# KiCad board !HDMI2USB.kicad_pcb
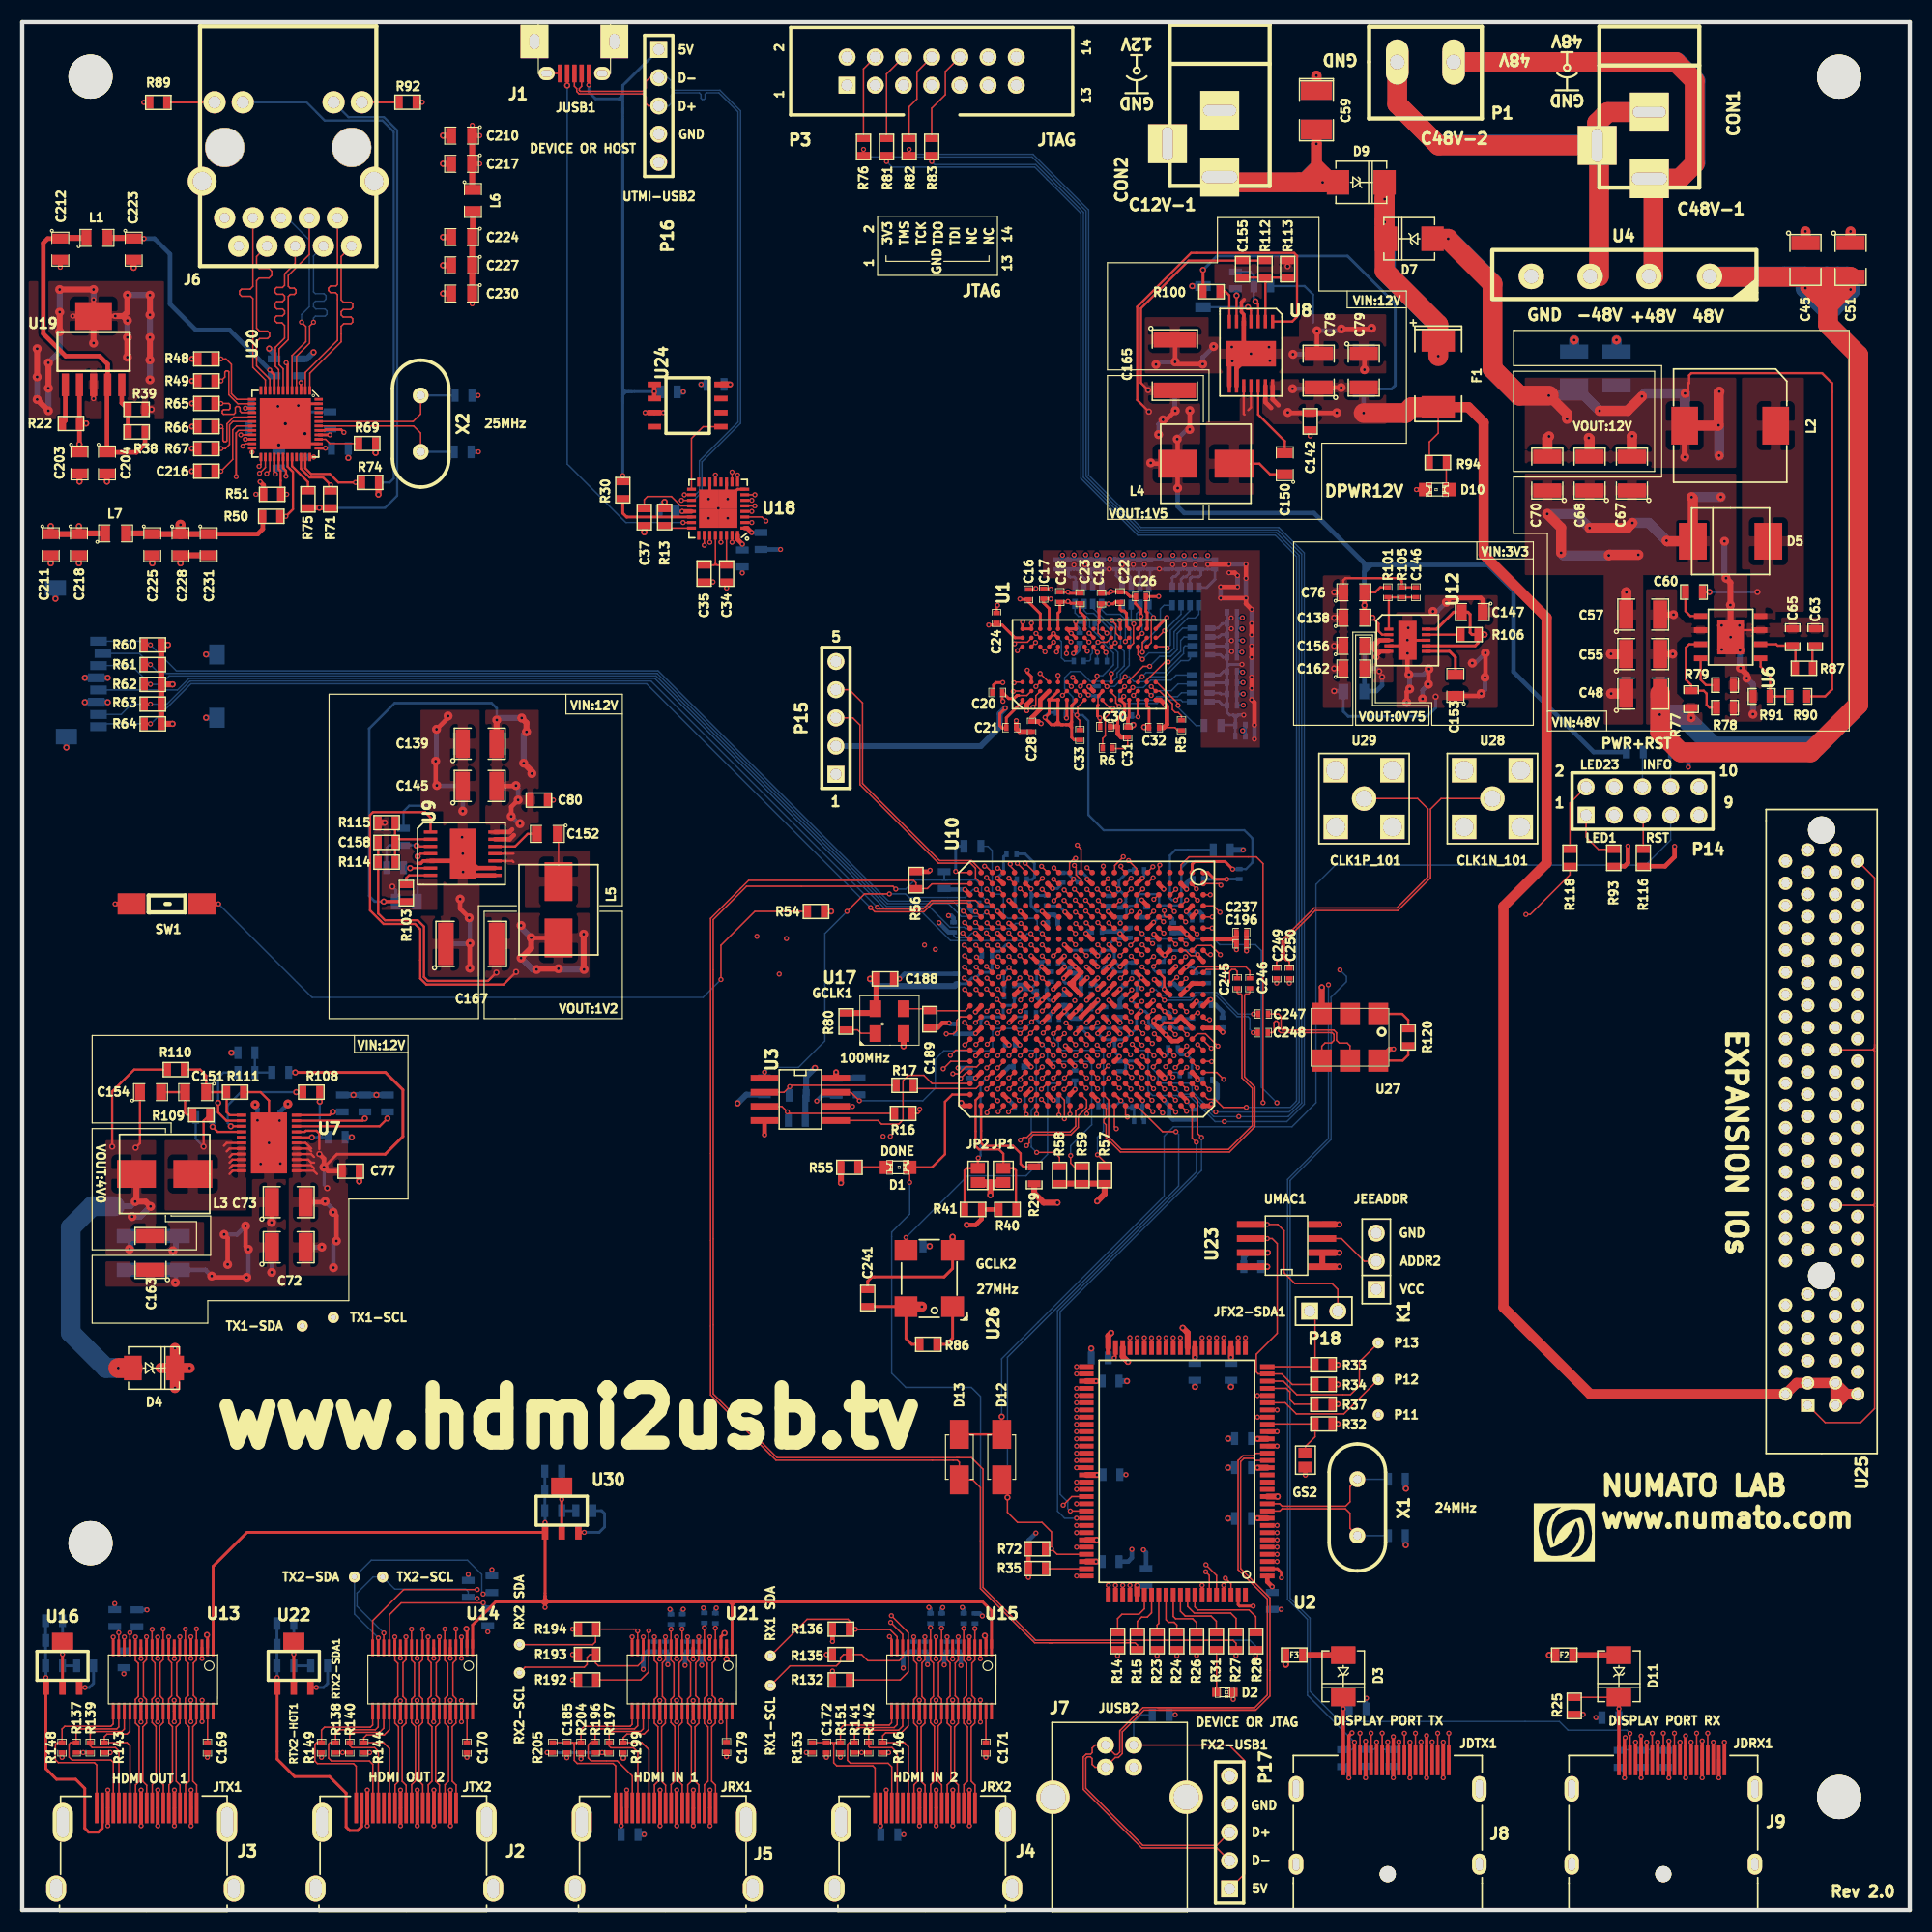
[diagram p0: board, top side]
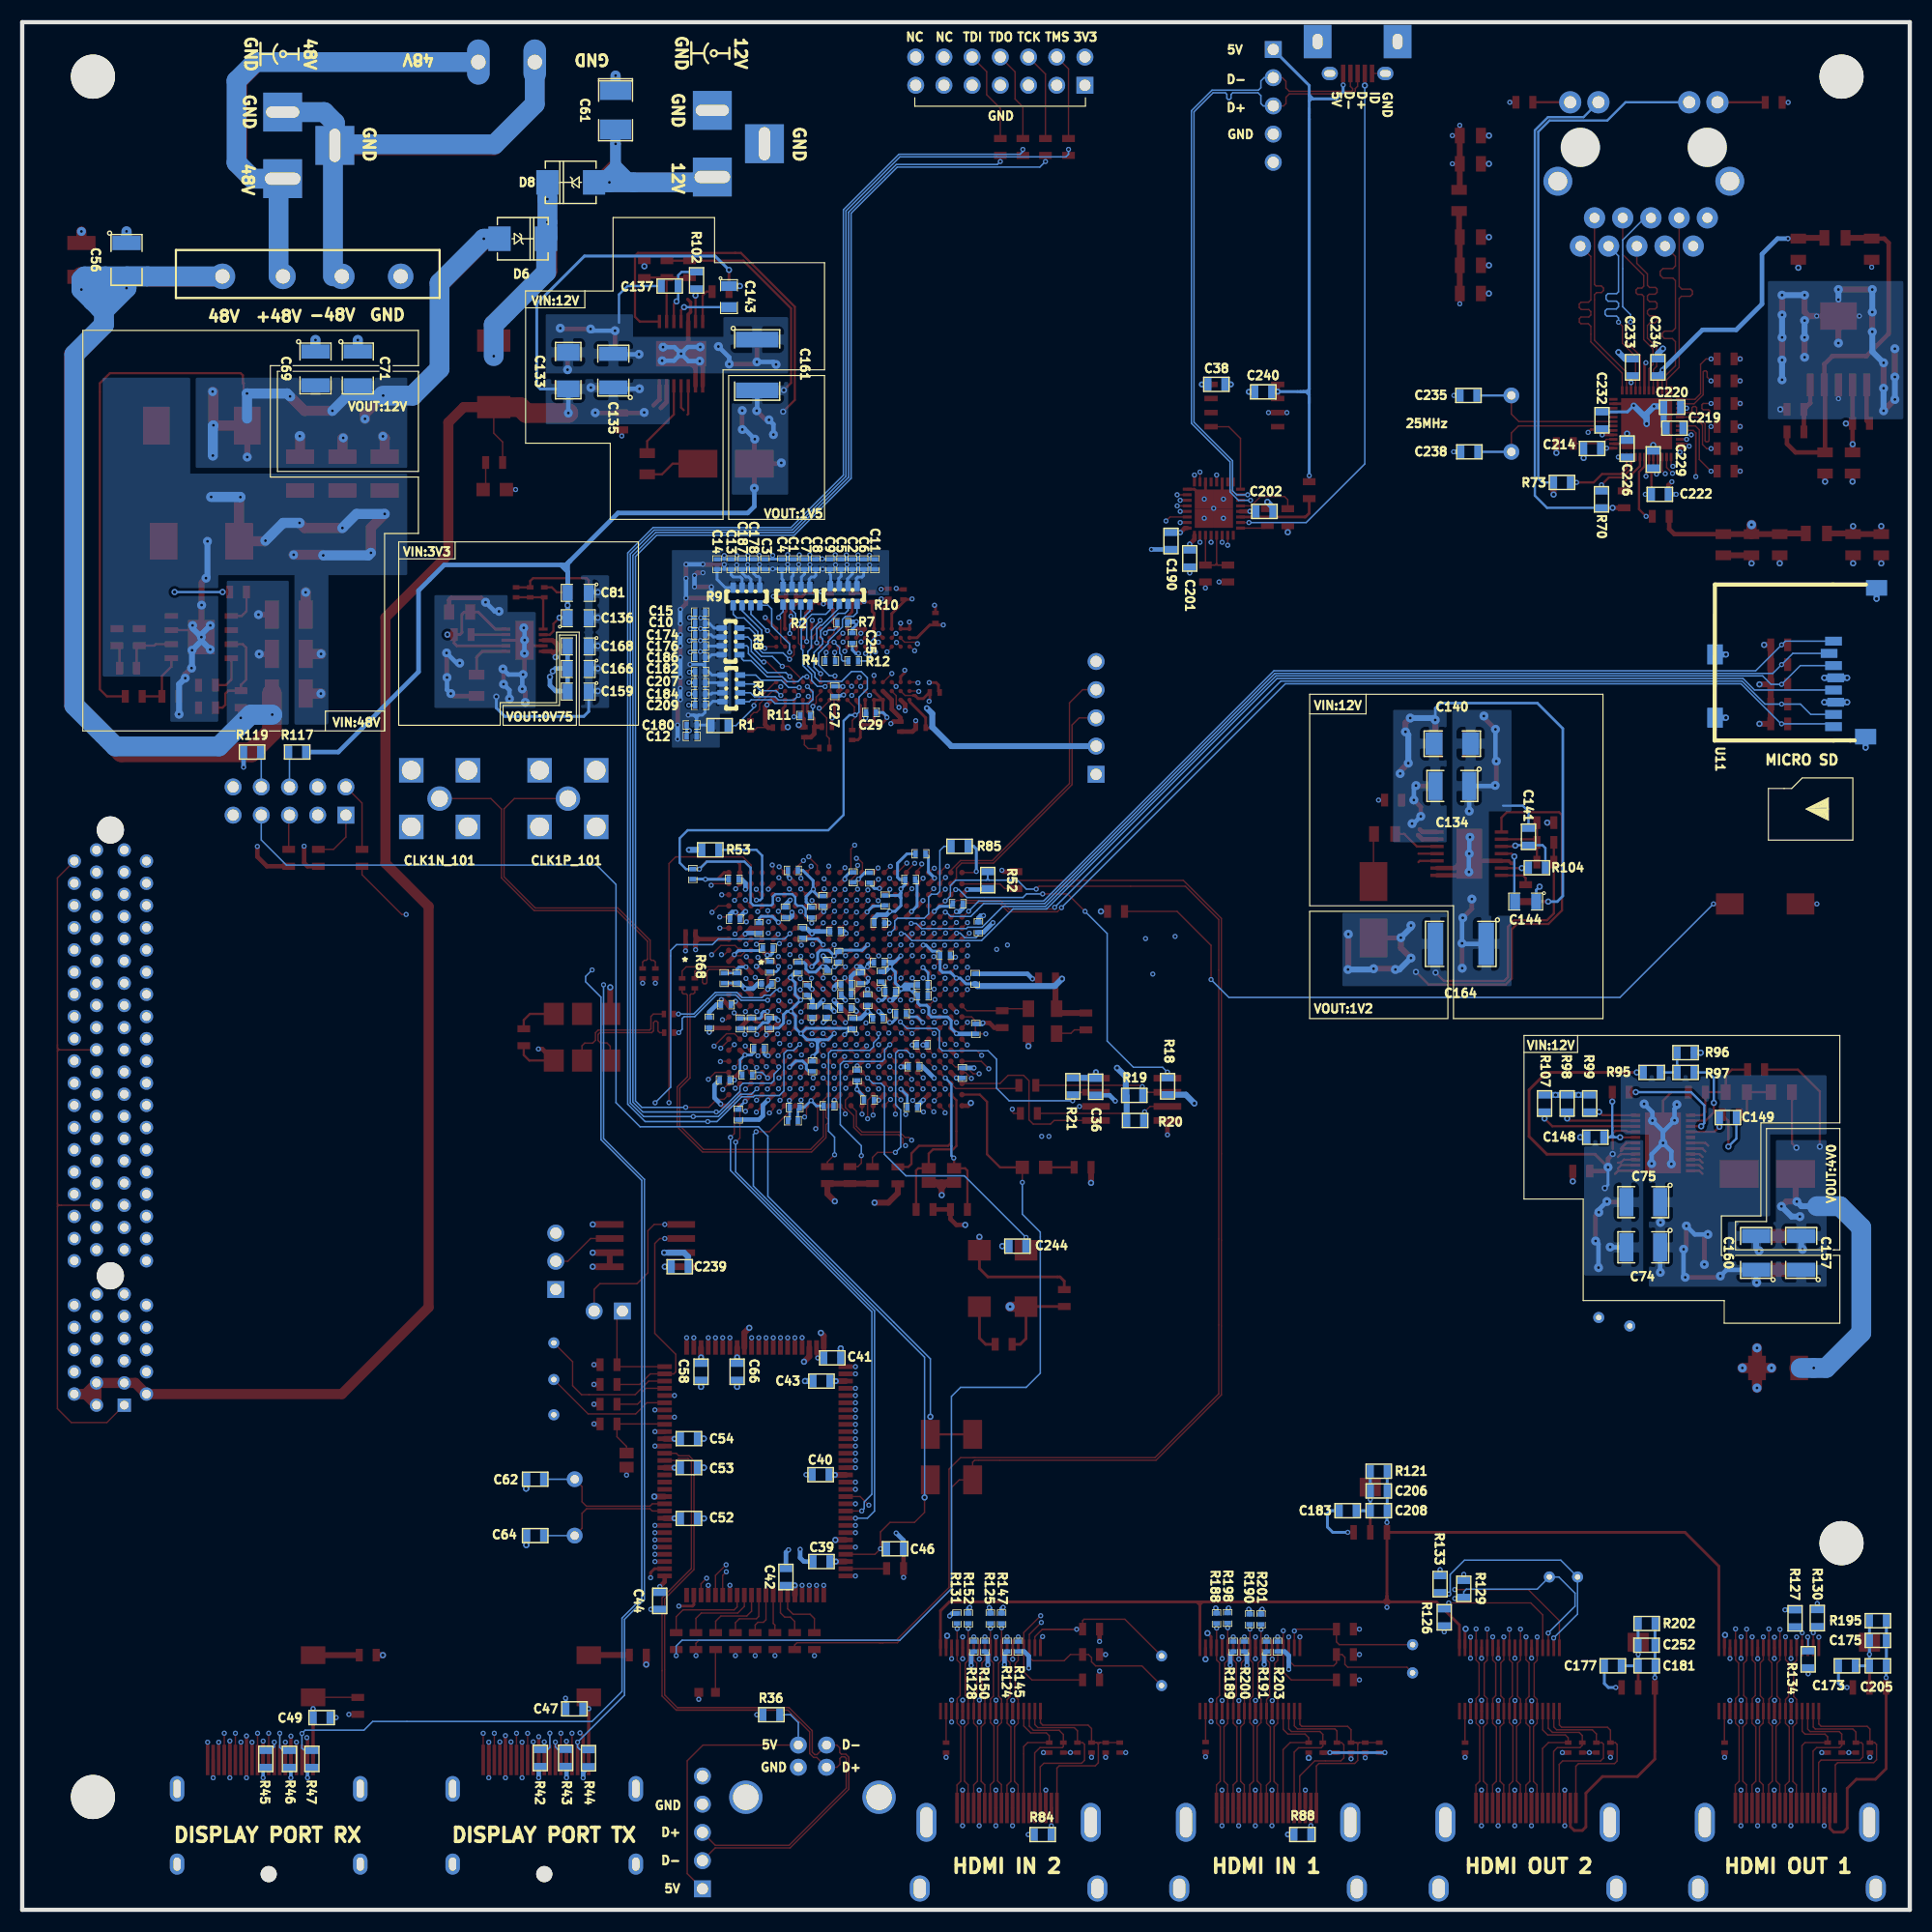
[diagram p1: board, bottom side, seen from below]

Outline 170 x 170 mm; copper layers: TOP, GND1 (plane), SIGNAL1-X, SIGNAL2-Y, GND2 (plane), SIGNAL3-X, SIGNAL4-Y, GND3 (plane), PWR (plane), In9.Cu, In10.Cu, In11.Cu, In12.Cu, In13.Cu, In14.Cu, In15.Cu, In16.Cu, In17.Cu, In18.Cu, In19.Cu, In20.Cu, In21.Cu, In22.Cu, In23.Cu, In24.Cu, In25.Cu, In26.Cu, In27.Cu, In28.Cu, In29.Cu, In30.Cu, BOTTOM. Coordinates in mm from the lower left corner of the outline.
Outline path: 0,170 0,0 170,0 170,170 0,170

## Placement (name value [footprint] x y rotation side)
1PIN  P***  [MH-4MM]  195 6 0 top
1PIN#2  P***  [MH-4MM#2]  184 130 0 top
1PIN#3  P***  [MH-4MM#3]  -4 137 0 top
1PIN#4  P***  [MH-4MM#4]  -4 14 0 top
C1  0.1UF  [SM0402]  100.56 121.18 90 bottom
C2  0.1UF  [SM0402]  95.23 121.18 90 bottom
C3  0.1UF  [SM0402]  103.1 121.18 90 bottom
C4  0.1UF  [SM0402]  101.58 121.18 90 bottom
C5  0.1UF  [SM0402]  96.25 121.18 90 bottom
C6  0.1UF  [SM0402]  94.21 121.18 90 bottom
C7  0.1UF  [SM0402]  99.55 121.18 90 bottom
C8  0.1UF  [SM0402]  98.53 121.18 90 bottom
C9  0.1UF  [SM0402]  97.26 121.18 90 bottom
C10  0.1UF  [SM0402]  108.95 115.85 0 bottom
C11  0.1UF  [SM0402]  93.2 121.18 90 bottom
C12  0.1UF  [SM0402]  109.71 105.69 0 bottom
C13  0.1UF  [SM0402]  106.15 121.18 90 bottom
C14  0.1UF  [SM0402]  107.42 121.18 90 bottom
C15  0.1UF  [SM0402]  108.95 116.86 0 bottom
C16  0.1UF  [SM0402]  90.63 118.47 270 top
C17  0.1UF  [SM0402]  91.99 118.53 270 top
C18  0.1UF  [SM0402]  93.45 118.23 270 top
C19  0.1UF  [SM0402]  97.2 118.09 270 top
C20  0.1UF  [SM0402]  87.82 109.63 0 top
C21  0.1UF  [SM0402]  89.08 106.46 180 top
C22  0.1UF  [SM0402]  98.87 118.22 270 top
C23  0.1UF  [SM0402]  95.28 118.12 270 top
C24  0.1UF  [SM0402]  87.75 116.35 270 top
C25  0.1UF  [SM0402]  95.24 114.54 270 bottom
C26  0.1UF  [SM0402]  100.76 118.28 0 top
C27  0.1UF  [SM0402]  96.83 109.75 270 bottom
C28  0.1UF  [SM0402]  90.91 106.56 90 top
C29  0.1UF  [SM0402]  93.56 107.83 0 bottom
C30  0.1UF  [SM0402]  97.53 106.55 180 top
C31  0.1UF  [SM0402]  99.55 106.06 90 top
C32  0.1UF  [SM0402]  101.94 106.47 180 top
C33  0.1UF  [SM0402]  95.25 105.81 270 top
C34  0.1uFD  [SM0603]  63.44 120.35 270 top
C35  0.1uFD  [SM0603]  61.41 120.35 270 top
C36  0.1UF  [SM0603]  73.32 74.13 90 bottom
C37  0.1uFD  [SM0603]  56.02 125.42 90 top
C38  0.1uFD  [SM0603]  62.45 137.38 180 bottom
C39  0.1uFD  [SM0603]  98.02 31.36 0 bottom
C40  0.1uFD  [SM0603]  98.1 39.19 0 bottom
C41  0.1uFD  [SM0603]  97.04 49.71 180 bottom
C42  0.1uFD  [SM0603]  101.22 29.97 90 bottom
C43  0.1MFD  [SM0603]  98.02 47.62 0 bottom
C44  0.1MFD  [SM0603]  112.58 27.82 270 bottom
C45  4.7uF  [SM1210]  160.6 148.59 270 top
C46  4.7uF  [SM0603]  91.39 32.51 180 bottom
C47  0.01uF  [SM0603]  120.27 18.1 0 bottom
C48  4.7uF  [SM1210]  145.99 109.54 0 top
C49  0.01uF  [SM0603]  143.03 17.31 180 bottom
C51  4.7uF  [SM1210]  164.67 148.59 270 top
C52  0.1MFD  [SM0603]  109.96 35.25 180 bottom
C53  0.1MFD  [SM0603]  109.96 39.82 180 bottom
C54  0.1MFD  [SM0603]  109.96 42.44 180 bottom
C55  4.7uF  [SM1210]  145.99 113.09 0 top
C56  4.7uF  [SM1210]  160.6 148.59 270 bottom
C57  2.2uF  [SM1210]  145.99 116.65 0 top
C58  0.1MFD  [SM0603]  108.86 48.46 270 bottom
C59  47UF  [SM1210L]  116.56 162.12 270 top
C60  0.1uF  [SM0603_Capa]  150.56 118.68 0 top
C61  47UF  [SM1210L]  116.56 162.12 270 bottom
C62  12pF  [SM0603]  123.8 38.78 180 bottom
C63  6.2nF  [SM0603_Capa]  161.48 114.62 90 top
C64  12pF  [SM0603]  123.8 33.7 0 bottom
C65  4.7uF  [SM0603_Capa]  159.45 114.62 270 top
C66  0.1MFD  [SM0603]  105.61 48.46 270 bottom
C67  47uF  [SM1210]  144.97 129.35 90 top
C68  47uF  [SM1210]  141.16 129.35 90 top
C69  47uF  [SM1210]  143.59 138.81 270 bottom
C70  47uF  [SM1210]  137.35 129.35 90 top
C71  47uF  [SM1210]  139.78 138.81 270 bottom
C72  22UF  [SM1210]  24 59.67 0 top
C73  22UF  [SM1210]  24 63.73 0 top
C74  22UF  [SM1210]  24 59.67 0 bottom
C75  22UF  [SM1210]  24 63.73 0 bottom
C76  10UF  [SM0805]  119.93 118.66 0 top
C77  4.7UF  [SM0603]  29.59 66.53 180 top
C78  10UF  [SM1210]  116.76 138.62 90 top
C79  10UF  [SM1210]  120.82 138.62 270 top
C80  0.1UF  [SM0603]  46.54 99.94 0 top
C81  10UF  [SM0805]  119.92 118.61 0 bottom
C82  0.1UF  [SM0402]  93.67 92.95 90 bottom
C83  0.1UF  [SM0402]  95.23 79.82 270 bottom
C84  0.1UF  [SM0402]  95.17 92.98 270 bottom
C85  0.1UF  [SM0402]  85.34 75.37 270 bottom
C86  0.1UF  [SM0402]  105.92 92.81 0 bottom
C87  0.1UF  [SM0402]  92.85 85.31 180 bottom
C88  0.1UF  [SM0402]  90.02 92.79 0 bottom
C89  0.1UF  [SM0402]  91.83 82.69 180 bottom
C90  0.1UF  [SM0402]  90.86 80.72 180 bottom
C91  0.1UF  [SM0402]  84.18 83.84 270 bottom
C92  0.1UF  [SM0402]  92.3 90.9 90 bottom
C93  0.1UF  [SM0402]  92.63 84.03 90 bottom
C94  0.1UF  [SM0402]  97.88 90.86 90 bottom
C95  0.1UF  [SM0402]  92.81 88.86 180 bottom
C96  0.1UF  [SM0402]  96.79 88.12 0 bottom
C97  0.1UF  [SM0402]  88.89 83.3 0 bottom
C98  0.1UF  [SM0402]  101.26 89.83 270 bottom
C99  0.1UF  [SM0402]  88.97 77.91 0 bottom
C101  0.1UF  [SM0402]  83.88 88.49 270 bottom
C102  0.1UF  [SM0402]  100.59 93.61 180 bottom
C103  0.1UF  [SM0402]  88.89 82.31 0 bottom
C105  0.1UF  [SM0402]  86.88 85.96 0 bottom
C107  0.1UF  [SM0402]  84.12 79.33 270 bottom
C108  0.1UF  [SM0402]  104.7 75.19 180 bottom
C109  0.1UF  [SM0402]  102.73 79.86 270 bottom
C110  0.1UF  [SM0402]  97.38 72.4 180 bottom
C111  0.1UF  [SM0402]  106.73 74.73 180 bottom
C112  0.1UF  [SM0402]  105.51 71.62 90 bottom
C113  0.1UF  [SM0402]  109.61 93.28 270 bottom
C114  0.1UF  [SM0402]  100.43 72.26 0 bottom
C115  0.1UF  [SM0402]  85.74 90.61 0 bottom
C116  0.1UF  [SM0402]  94.81 75.14 90 bottom
C117  0.1UF  [SM0402]  96.48 85.83 90 bottom
C118  0.1UF  [SM0402]  100.59 71.06 0 bottom
C119  0.1UF  [SM0402]  100.14 84.87 270 bottom
C120  0.1UF  [SM0402]  103.64 88.43 90 bottom
C121  0.1UF  [SM0402]  92.94 80.26 0 bottom
C122  0.1UF  [SM0402]  97.52 80.86 270 bottom
C123  0.1UF  [SM0402]  103.64 77.58 180 bottom
C124  0.1UF  [SM0402]  95.79 83.33 180 bottom
C125  0.1UF  [SM0402]  98.83 75.97 90 bottom
C126  0.1UF  [SM0402]  97.45 85.02 270 bottom
C127  0.1UF  [SM0402]  89.1 95.1 0 bottom
C128  0.1UF  [SM0402]  98.85 80.86 90 bottom
C129  0.1UF  [SM0402]  94.49 83.91 90 bottom
C130  0.1UF  [SM0402]  99.72 87.99 90 bottom
C131  0.1UF  [SM0402]  95.79 82.42 180 bottom
C132  0.1UF  [SM0402]  89.72 75.93 0 bottom
C133  10UF  [SM1206]  120.82 138.62 270 bottom
C134  10UF  [SM1210]  41.2 101.21 0 bottom
C135  10UF  [SM1210]  116.76 138.62 90 bottom
C136  10UF  [SM0805]  119.92 116.32 180 bottom
C137  1UF  [SM0603]  111.68 146.24 180 bottom
C138  10UF  [SM0805]  119.93 116.37 0 top
C139  10UF  [SM1210]  41.2 105.02 0 top
C140  10UF  [SM1206]  41.2 105.02 0 bottom
C141  1UF  [SM0603]  34.34 96.64 270 bottom
C142  0.1UF  [SM0603]  116 134.05 270 top
C143  8.2NF  [SM0805]  106.35 145.29 270 bottom
C144  8.2NF  [SM0805]  34.6 90.8 0 bottom
C145  10UF  [SM1210]  41.2 101.21 0 top
C146  0.001UF  [SM0402]  125.52 118.66 90 top
C147  4.7UF  [SM0805]  130.6 116.88 180 top
C148  1UF  [SM0603]  28.32 69.57 180 bottom
C149  0.1UF  [SM0603]  16.38 71.35 180 bottom
C150  0.1UF  [SM0805]  113.71 130.24 90 top
C151  1NF  [SM0805]  15.62 73.64 180 top
C152  0.1UF  [SM0805]  47.3 96.9 180 top
C153  0.1UF  [SM0805]  129.08 110.27 90 top
C154  0.1UF  [SM0805]  11.56 73.64 0 top
C155  0.1UF  [SM0603]  109.9 147.76 90 top
C156  10UF  [SM0805]  119.93 113.83 0 top
C157  100UF  [SM1210]  9.78 59.16 90 bottom
C158  0.1UF  [SM0603]  32.82 96.13 0 top
C159  10UF  [SM0805]  119.92 109.72 0 bottom
C160  100UF  [SM1210]  13.84 59.16 90 bottom
C161  47UF  [SM1812]  103.81 139.13 270 bottom
C162  10UF  [SM0805]  119.93 111.8 0 top
C163  100UF  [SM1210]  11.56 59.16 90 top
C164  47UF  [SM1812]  40.44 86.99 0 bottom
C165  47UF  [SM1812]  103.81 139.13 270 top
C166  10UF  [SM0805]  119.92 111.75 0 bottom
C167  47UF  [SM1812]  40.44 86.99 0 top
C168  10UF  [SM0805]  119.92 113.78 0 bottom
C169  1mfd  [SM0402]  16.68 14.61 270 top
C170  1mfd  [SM0402]  40.05 14.61 270 top
C171  1mfd  [SM0402]  86.79 14.61 270 top
C172  0.1mfd  [SM0402]  72.42 14.61 90 top
C173  0.33mfd  [SM0603]  5.66 21.97 180 bottom
C174  0.1UF  [SM0402]  108.95 114.83 0 bottom
C175  0.1mfd  [SM0603]  2.87 24.26 0 bottom
C176  0.1UF  [SM0402]  108.95 113.81 0 bottom
C177  0.33mfd  [SM0603]  26.75 21.97 180 bottom
C178  0.1UF  [SM0402]  104.12 121.18 90 bottom
C179  1mfd  [SM0402]  63.42 14.66 270 top
C180  0.1UF  [SM0402]  109.71 106.7 0 bottom
C181  0.1mfd  [SM0603]  23.7 21.97 0 bottom
C182  0.1UF  [SM0402]  108.95 111.53 0 bottom
C183  0.33mfd  [SM0603]  50.62 35.94 180 bottom
C184  0.1UF  [SM0402]  108.95 109.5 0 bottom
C185  0.1mfd  [SM0402]  49.05 14.61 90 top
C186  0.1UF  [SM0402]  108.95 112.8 0 bottom
C187  0.1UF  [SM0402]  105.14 121.18 90 bottom
C188  0.1UF  [SM0603]  77.7 83.84 180 top
C189  15PF  [SM0603]  81.74 80.21 90 top
C190  0.1UF  [SM0603]  66.54 123.28 90 bottom
C191  0.1UF  [SM0402]  108.12 79.91 90 bottom
C192  0.1UF  [SM0402]  98.9 89.82 90 bottom
C193  0.1UF  [SM0402]  106.63 81.51 0 bottom
C194  0.1UF  [SM0402]  102.85 86.62 0 bottom
C195  0.1UF  [SM0402]  106.78 83.91 270 bottom
C196  0.1UF  [SM0402]  109.8 87 0 top
C197  0.1UF  [SM0402]  102.95 83.39 0 bottom
C198  0.1UF  [SM0402]  105.35 79.82 270 bottom
C199  0.1UF  [SM0402]  104.32 79.82 270 bottom
C200  0.1UF  [SM0402]  105.63 83.91 270 bottom
C201  0.1MFD  [SM0603]  64.85 121.7 270 bottom
C202  0.1MFD  [SM0603]  58.12 125.94 180 bottom
C203  4.7uF  [SM0805]  5.16 130.31 270 top
C204  1uF  [SM0805]  7.63 130.31 270 top
C205  0.1mfd  [SM0603]  2.87 21.97 0 bottom
C206  0.1mfd  [SM0603]  47.83 37.72 0 bottom
C207  0.1UF  [SM0402]  108.95 110.51 0 bottom
C208  0.1mfd  [SM0603]  47.83 35.94 0 bottom
C209  0.1UF  [SM0402]  108.95 108.48 0 bottom
C210  4.7uF  [SM0805]  39.58 159.79 180 top
C211  4.7uF  [SM0805]  2.57 122.94 270 top
C212  4.7uF  [SM0805]  3.43 149.56 270 top
C213  0.1UF  [SM0402]  105.82 89.21 180 bottom
C214  100nF  [SM0603]  28.61 131.61 0 bottom
C215  0.1UF  [SM0402]  93.86 81.93 270 bottom
C216  27pF  [SM0603]  16.59 129.57 0 top
C217  100nF  [SM0805]  39.58 157.25 180 top
C218  100nF  [SM0805]  5.11 122.94 270 top
C219  100nF  [SM0603]  21.19 133.44 0 bottom
C220  100nF  [SM0603]  21.4 135.32 0 bottom
C221  0.1UF  [SM0402]  95.82 81.22 0 bottom
C222  0.1uF  [SM0603]  22.51 127.48 180 bottom
C223  4.7uF  [SM0805]  10.04 149.56 270 top
C224  4.7uF  [SM0805]  39.58 150.65 180 top
C225  4.7uF  [SM0805]  11.71 122.94 270 top
C226  100nF  [SM0603]  25.46 131.59 90 bottom
C227  100nF  [SM0805]  39.58 148.11 180 top
C228  100nF  [SM0805]  14.25 122.94 270 top
C229  100nF  [SM0603]  23.11 130.61 90 bottom
C230  100nF  [SM0805]  39.58 145.57 180 top
C231  100nF  [SM0805]  16.79 122.94 270 top
C232  100nF  [SM0603]  27.72 134.15 90 bottom
C233  100nF  [SM0603]  24.97 138.92 90 bottom
C234  100nF  [SM0603]  22.68 138.92 90 bottom
C235  12pF  [SM0603]  39.75 136.39 0 bottom
C236  0.1UF  [SM0402]  99.3 82.83 270 bottom
C237  0.1UF  [SM0402]  109.8 88.01 0 top
C238  12pF  [SM0603]  39.67 131.31 0 bottom
C239  100nF  [SM0603]  110.78 57.92 180 bottom
C240  0.1uFD  [SM0603]  58.23 136.71 0 bottom
C241  0.1UF  [SM0603]  76.15 55.1 270 top
C242  0.1UF  [SM0402]  93.74 72.92 180 bottom
C243  0.1UF  [SM0402]  89.84 72.28 180 bottom
C244  15PF  [SM0603]  80.37 59.77 180 bottom
C245  0.1UF  [SM0402]  109.42 83.44 90 top
C246  0.1UF  [SM0402]  110.57 83.44 90 top
C247  0.1UF  [SM0402]  111.76 80.67 0 top
C248  0.1UF  [SM0402]  111.73 79 0 top
C249  0.1UF  [SM0402]  112.98 84.33 90 top
C250  0.1UF  [SM0402]  114.12 84.33 90 top
C252  0.1mfd  [SM0603]  23.71 23.83 0 bottom
CON1  -  [BARREL_JACK]  146.54 162.11 270 top
CON2  -  [BARREL_JACK]  107.85 162.26 270 top
D1  LED  [LED-0805]  78.88 66.87 0 top
D2  LED  [LED-0603]  108.31 19.59 0 top
D3  DIODE  [DO-214AC(SMA)]  118.97 21.03 270 top
D4  DIODE  [DO-214AC(SMA)]  11.86 48.8 0 top
D5  DIODE  [B560C-SMC]  153.86 123.25 0 top
D6  DIODESCH  [DO-214AC(SMA)#2]  124.92 150.5 180 bottom
D7  DIODESCH  [DO-214AC(SMA)#2]  124.92 150.5 180 top
D8  DIODESCH  [DO-214AC(SMA)#2]  120.6 155.58 0 bottom
D9  DIODESCH  [DO-214AC(SMA)#2]  120.6 155.58 0 top
D10  LED  [LED-0805]  127.44 127.91 180 top
D11  DIODE  [DO-214AC(SMA)]  143.8 21.03 270 top
D12  DIODESCH  [DO214-AC]  88.21 40.77 90 top
D13  DIODESCH  [DO214-AC]  84.4 40.77 90 top
F1  FUSE  [SM2512]  127.53 138.33 270 top
F2  FUSE  [SM0603]  138.88 22.94 0 top
F3  FUSE  [SM0603]  114.56 22.94 0 top
G***  -  [LOGO]  138.84 33.98 0 top
GS2  -  [GS2]  115.57 40.5 0 top
J1  USB_MICRO_B  [MICRO_USB_B]  49.73 168.66 180 top
J2  HDMI  [HDMI_TH]  34.58 7.88 0 top
J3  HDMI  [HDMI_TH]  11.21 7.88 0 top
J4  HDMI  [HDMI_TH]  81.31 7.88 0 top
J5  HDMI  [HDMI_TH]  57.94 7.88 0 top
J6  RJ45(HFJ11-1GO1ERL)  [RJ45_10P-10C]  23.95 158.73 180 top
J7  USB  [USB_B]  98.83 10.14 0 top
J8  DISPLAY_PORT  [Display_Port]  122.98 10.89 0 top
J9  DISPLAY_PORT  [Display_Port]  147.8 10.89 0 top
JP1  JUMPER  [GS2]  88.36 66.14 0 top
JP2  JUMPER  [GS2]  86.07 66.14 0 top
K1  CONN_3  [PIN_ARRAY_3X1]  121.95 58.41 90 top
L1  INDUCTOR  [SM0805]  6.74 150.58 0 top
L2  7.2uH  [Power_Inductor]  157.93 133.67 270 top
L3  2.2UH  [IND202]  12.83 66.27 180 top
L4  1.5UH  [IND202]  106.6 130.24 180 top
L5  1.5UH  [IND202]  48.3 90.06 270 top
L6  INDUCTOR  [SM0805]  40.59 153.95 270 top
L7  INDUCTOR  [SM0805]  8.41 123.96 0 top
Micro_SD  VAL**  [Micro_SD_O]  8.13 99.14 90 bottom
P1  CONN_2  [ScrewTerm2]  123.84 166.41 0 top
P2  CONN_1  [1Pin_N]  29.92 29.97 0 top
P3  CONN_7X2  [JTAG]  81.91 165.59 0 top
P4  CONN_1  [1Pin_N]  32.46 29.97 0 top
P5  CONN_1  [1Pin_N]  25.22 52.58 0 top
P6  CONN_1  [1Pin_N]  28.02 53.34 0 top
P7  CONN_1  [1Pin_N]  67.39 22.86 0 top
P8  CONN_1  [1Pin_N]  67.39 20.2 0 top
P9  CONN_1  [1Pin_N]  44.78 23.88 0 top
P10  CONN_1  [1Pin_N]  44.78 21.34 0 top
P11  CONN_1  [1Pin_N]  122.12 44.58 0 top
P12  CONN_1  [1Pin_N]  122.12 47.75 0 top
P13  CONN_1  [1Pin_N]  122.12 51.06 0 top
P14  CONN_5X2  [PIN_ARRAY_5x2]  145.93 99.86 0 top
P15  CONN_5  [PIN_ARRAY_5x1]  73.28 107.34 90 top
P16  CONN_5  [PIN_ARRAY_5x1]  57.33 162.46 270 top
P17  CONN_5  [PIN_ARRAY_5x1]  108.74 6.97 90 top
P18  CONN_2  [PIN_ARRAY_2X1]  117.22 53.92 0 top
R1  R  [SM0603]  107.19 106.65 180 bottom
R2  49.9E  [RES_NET4]  100.27 118.35 180 bottom
R3  49.9E  [RES_NET4]  106.14 110 90 bottom
R4  100E  [SM0402]  97.23 112.46 180 bottom
R5  4K7  [SM0402]  104.41 106.67 90 top
R6  4K7  [SM0402]  97.76 104.63 180 top
R7  4K7  [SM0402]  96.14 115.91 0 bottom
R8  49.9E  [RES_NET4]  106.2 114.23 90 bottom
R9  49.9E  [RES_NET4]  104.77 118.29 180 bottom
R10  49.9E  [RES_NET4]  96.02 118.41 180 bottom
R11  100E  [SM0402]  99.49 107.55 180 bottom
R12  240R  [SM0402]  95.15 112.47 180 bottom
R13  8.06K  [SM0603]  57.86 125.43 270 top
R14  100R  [SM0603]  98.65 24.2 270 top
R15  330R  [SM0603]  100.43 24.2 270 top
R16  50R  [SM0603]  79.47 74.25 0 top
R17  50R  [SM0603]  79.34 71.72 0 top
R18  10K  [SM0603]  66.84 74.17 90 bottom
R19  10K  [SM0603]  69.84 73.35 180 bottom
R20  10K  [SM0603]  69.77 71.08 180 bottom
R21  10K  [SM0603]  75.37 74.16 90 bottom
R22  1K  [SM0603]  4.39 133.86 0 top
R23  100R  [SM0603]  102.21 24.2 270 top
R24  100R  [SM0603]  103.99 24.2 270 top
R25  100K  [SM0603]  139.78 18.36 270 top
R26  100R  [SM0603]  105.77 24.2 270 top
R27  330R  [SM0603]  109.32 24.2 270 top
R28  330R  [SM0603]  111.1 24.2 270 top
R29  4.7K  [SM0603_Resistor]  91.14 66.15 90 top
R30  20K5%- 0.05W  [SM0603]  54.09 127.85 90 top
R31  1.5K  [SM0603]  107.54 24.2 270 top
R32  10K  [SM0603]  117.2 43.76 0 top
R33  2.2K  [SM0603]  117.2 49.09 0 top
R34  2.2K  [SM0603]  117.2 47.31 0 top
R35  10K  [SM0603]  91.39 30.74 180 top
R36  10K  [SM0603]  102.53 17.57 180 bottom
R37  4.7K  [SM0603]  117.2 45.54 0 top
R38  39K  [SM0603]  10.3 133.1 0 top
R39  27K  [SM0603]  10.3 135.13 180 top
R40  10K  [SM0603]  88.73 63.08 0 top
R41  10K  [SM0603]  85.64 63.08 0 top
R42  1M  [SM0603]  123.34 13.67 270 bottom
R43  5M  [SM0603]  121.06 13.68 270 bottom
R44  100K  [SM0603]  119 13.65 270 bottom
R45  1M  [SM0603]  148.06 13.59 270 bottom
R46  5M  [SM0603]  145.93 13.59 270 bottom
R47  100K  [SM0603]  143.91 13.59 270 bottom
R48  4.7K  [SM0603]  16.59 139.68 0 top
R49  4.7K  [SM0603]  16.59 137.69 0 top
R50  1.5K  [SM0603]  22.43 125.5 0 top
R51  4.7K  [SM0603]  22.51 127.48 180 top
R52  4.7K  [SM0603]  83.04 92.73 90 bottom
R53  R  [SM0603]  108.03 95.46 0 bottom
R54  1K  [SM0603]  71.49 89.92 180 top
R55  1K  [SM0603]  74.5 66.87 180 top
R56  4.7K  [SM0603]  80.5 92.73 90 top
R57  4.7K  [SM0603]  97.48 66.17 270 top
R58  4.7K  [SM0603]  93.42 66.17 270 top
R59  4.7K  [SM0603]  95.45 66.17 270 top
R60  100K  [SM0603]  11.76 113.92 0 top
R61  100K  [SM0603]  11.76 112.14 0 top
R62  100K  [SM0603]  11.76 110.37 0 top
R63  100K  [SM0603]  11.76 108.59 0 top
R64  100K  [SM0603]  11.76 106.81 0 top
R65  4.7K  [SM0603]  16.59 135.66 0 top
R66  4.7K  [SM0603]  16.59 133.58 0 top
R67  4.7K  [SM0603]  16.59 131.6 0 top
R68  50R  [SM0402]  102.67 84.94 270 bottom
R69  2.49K  [SM0603]  31.07 132.06 0 top
R70  390R  [SM0603]  27.77 127.03 270 bottom
R71  4.7K  [SM0603]  27.77 127.03 270 top
R72  100K  [SM0603]  91.39 32.51 180 top
R73  390R  [SM0603]  31.32 128.55 0 bottom
R74  4.7K  [SM0603]  31.32 128.55 0 top
R75  4.7K  [SM0603]  25.73 127.03 270 top
R76  100R  [SM0603]  75.77 158.76 270 top
R77  442K  [SM0603_Capa]  150.31 109.03 270 top
R78  92.3K  [SM0603_Capa]  153.35 108.27 0 top
R79  243K  [SM0603_Capa]  153.35 110.3 0 top
R80  4K7  [SM0603]  74.2 80.01 270 top
R81  100R  [SM0603]  77.85 158.76 270 top
R82  100R  [SM0603]  79.88 158.76 270 top
R83  100R  [SM0603]  81.91 158.76 270 top
R84  100K  [SM0603]  78.09 6.77 180 bottom
R85  240E  [SM0603]  85.58 95.78 0 bottom
R86  4K7  [SM0603]  81.61 50.93 0 top
R87  30.1K  [SM0603]  160.47 111.82 180 top
R88  100K  [SM0603]  54.7 6.78 180 bottom
R89  330R  [SM0603]  12.26 162.78 180 top
R90  143K  [SM0603_Resistor]  159.96 109.28 0 top
R91  10.2K  [SM0603_Resistor]  156.66 109.28 0 top
R92  330R  [SM0603]  34.71 162.79 0 top
R93  100R  [SM0603]  143.33 94.74 90 top
R94  2.2K  [SM0603]  127.5 130.34 0 top
R95  200K  [SM0603]  23.24 75.42 180 bottom
R96  86.6K  [SM0603]  20.19 77.19 180 bottom